# KiCad board panelized.kicad_pcb (continued)
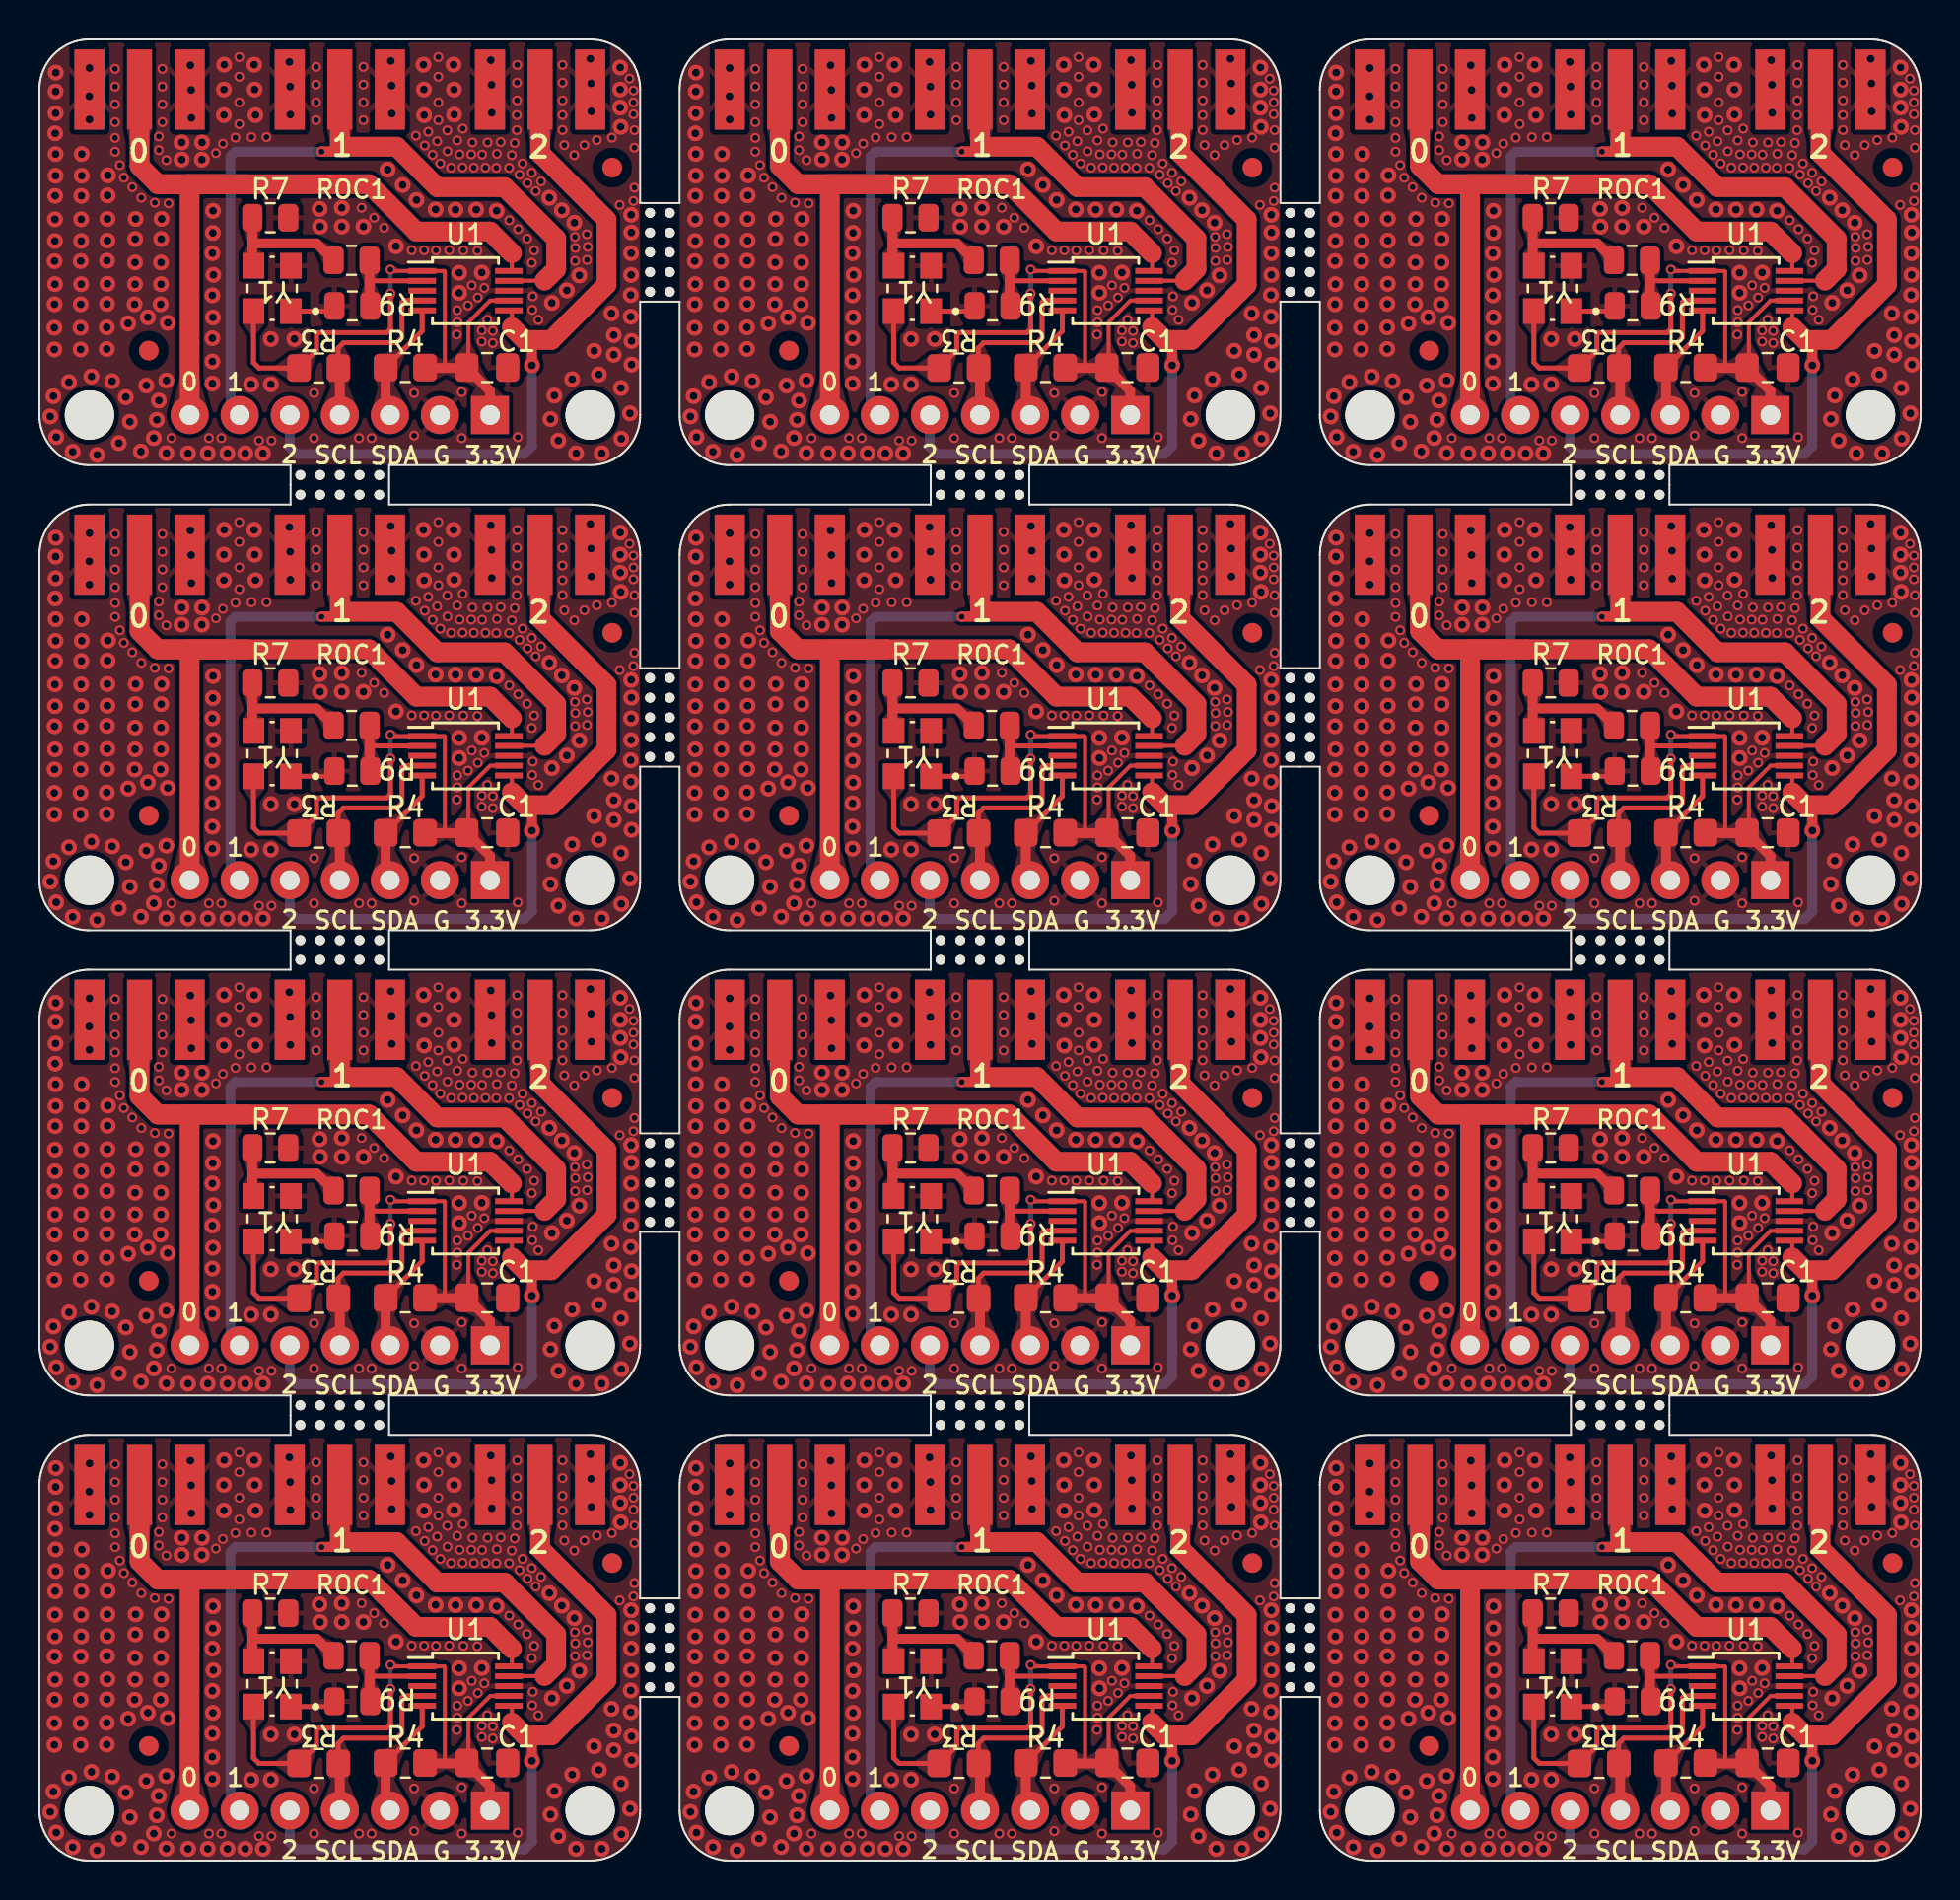
[diagram p0: board, top side]
## Routing (per net, layer and track width the routed paths; a pad name or vN(x,y) marks a point on that pad's centre or on a via; arc(x,y) is an arc through that point) (continued)
Board_3-Net-(U1-XA): length 5
  Top w0.25: U1#3.2 16.8,56.53 16.75,56.48
  Top w0.5: ROC1#12.2 16.75,55.29
Board_3-Net-(Y1-OUT): length 6.9
  Top w0.5: R7.1 10.8,58.43 ; 10.8,58.43 10.8,57.35 ; 10.8,58.43 14.06,58.43 ROC1#12.1
Board_4-+3.3V: length 31.1
  Top w0.2: 53.05,52.23 53.05,57 53.02,57.03 U1#2.1 50.36,57.03 v1(50.29,57.1) ; 54.25,52.13 54.25,54.43 55.35,55.53 U1#2.7
  Top w0.25: v1(50.29,55.89) 50.29,54.09 50.1,53.9 46.54,53.9 46.54,53 R3#4.2 43.62,52.11 43.34,52.39 Y1#8.4
  Top w0.5: JP1.1 55.34,50.95 C1#2.1 ; 54.05,52.11 52.23,52.11
  Bottom w0.25: v1(50.29,55.89) v1(50.29,57.1)
Board_4-/CLK0: length 43.5
  Top w0.2: 56.45,57.93 56.45,57.09
  Top w1: 42.98,61.43 41.84,61.43 ; 42.98,61.43 49.2,61.43 51.6,59.03 55.35,59.03 56.45,57.93 ; 42.98,61.43 38.48,61.43 ; 41.84,61.43 40.02,61.43 40.1,61.35 JP1.7 ; 41.84,61.43 38.48,61.43 ; X1#4.P 37.56,62.35 38.48,61.43
Board_4-/CLK1: length 39.6
  Top w0.2: 58.11,56.54 56.44,56.54
  Top w0.25: 47.64,63.24 47.73,63.33 47.48,63.08
  Top w0.5: 48.06,63.33 47.83,63.09 46.81,63.09 v1(46.79,63.08) 47.48,63.08
  Top w1: 58.11,56.54 58.7,57.13 58.7,58.66 56.08,61.28 52.66,61.28 50.61,63.33 47.73,63.33 47.72,63.34 X2#3.P
  Bottom w0.5: 42.17,50.19 42.17,62.83 42.42,63.08 46.69,63.08
Board_4-/CLK2: length 38.1
  Top w0.2: 56.45,54.18 56.45,54.98
  Top w0.25: 57.47,53.16 57.1,53.53
  Top w0.5: v2(57.47,52.24) 57.47,53.16
  Top w1: 56.45,54.18 57.1,53.53 58.45,53.53 61.25,56.33 61.25,59.63 57.88,63 X3#4.P
  Bottom w0.5: JP1.5 45.18,48.11 45.54,47.75 57.07,47.75 57.47,48.15 v2(57.47,52.24)
Board_4-/SCL_3V: length 9.4
  Top w0.25: U1#2.4 50.96,55.53 50.87,55.44 50.87,53.65 50.61,53.39 47.9,53.39 47.64,53.12 47.64,52.3
  Top w0.5: JP1.4 47.72,52.02
Board_4-/SDA_3V: length 5.9
  Top w0.25: U1#2.5 51.9,53.98 R4#9.1
  Top w0.5: R4#9.1 50.04,49.94
Board_4-GND: length 2.3
  Top w0.25: R9#10.2 47.18,54.99 Y1#8.1
  vias: v1(36.32,67.28) v1(36.32,66.38) v1(36.32,65.48) v1(36.32,64.58) v1(36.32,63.78) v1(36.32,63.08) v1(36.56,62.39) v1(36.76,61.76) v1(37.19,61.28) v1(37.65,60.74) v1(38.33,60.49) v1(38.54,63.85) v1(38.54,63.16) v1(38.72,67.28) v1(38.72,66.38) v1(38.72,65.48) v1(38.72,64.58) v1(38.92,62.65) v1(39.03,60.46) v1(39.17,48.55) v1(41.08,48.55) v1(41.43,63) v1(41.71,48.55) v1(41.79,63.49) v1(42.42,63.79) v1(42.62,67.88) v1(42.62,66.88) v1(42.62,65.58) v1(42.62,64.48) v1(43.24,63.82) v1(43.62,48.42) v1(44,63.82) v1(44.25,48.42) v1(46.41,50.84) v1(46.41,48.55) v1(46.52,67.38) v1(46.52,66.48) v1(46.52,65.58) v1(46.52,64.68) v1(48.7,48.55) v1(48.82,60.24) v1(48.92,67.38) v1(48.92,66.48) v1(48.92,65.58) v1(48.92,64.68) v1(49.33,48.55) v1(49.46,59.73) v1(49.97,59.22) v1(51.36,58.08) v1(51.49,50.84) v1(51.49,48.68) v1(51.58,63.89) v1(52.03,63.39) v1(52,58.08) v1(52.21,64.09) v1(52.43,62.92) v1(52.66,63.61) v1(52.6,58.07) v1(52.72,67.88) v1(52.72,66.88) v1(52.72,65.58) v1(52.72,64.68) v1(52.82,62.48) v1(53.17,64.16) v1(53.18,63.1) v1(53.27,58.08) v1(53.36,62.27) v1(53.66,53.81) v1(53.68,63.65) v1(53.68,55.04) v1(53.68,54.43) v1(53.8,62.94) v1(53.96,64.25) v1(53.95,62.28) v1(53.9,50.89) v1(53.9,48.55) v1(53.99,58.07) v1(54.22,55.28) v1(54.45,63.55) v1(54.39,62.94) v1(54.41,56.3) v1(54.52,62.27) v1(54.7,58.05) v1(54.72,55.68) v1(54.94,62.93) v1(54.92,54.01) v1(54.92,53.45) v1(55.05,56.17) v1(55.11,62.27) v1(55.22,63.55) v1(55.2,54.55) v1(55.48,53.99) v1(55.48,53.38) v1(55.66,62.26) v1(55.69,62.97) v1(55.88,63.57) v1(56.31,62.26) v1(56.32,59.6) v1(56.44,62.9) v1(56.59,63.52) v1(56.72,67.48) v1(56.71,66.58) v1(56.71,65.68) v1(56.7,64.93) v1(56.7,64.17) v1(56.77,59.15) v1(56.75,48.6) v1(56.84,61.91) v1(56.99,62.48) v1(57.25,61.48) v1(57.22,58.67) v1(57.46,62.01) v1(57.46,57.44) v1(57.51,55.74) v1(57.49,55.05) v1(57.66,61.08) v1(57.58,58.07) v1(57.79,54.55) v1(57.93,61.57) v1(59.02,67.48) v1(59.02,66.58) v1(59.02,65.68) v1(59.02,64.93) v1(59.02,64.18) v1(59.11,63.41) v1(59.62,62.9) v1(59.65,58.76) v1(59.67,58.2) v1(59.66,57.54) v1(60.13,63.41) v1(60.25,58.89) v1(60.26,57.59) v1(60.3,58.25) v1(60.76,63.66) v1(61.52,63.79) v1(61.92,60.38) v1(62.42,66.78) v1(62.62,66.18) v1(62.62,65.58) v1(62.62,64.98) v1(62.67,64.17) v1(62.67,63.28) v1(62.67,61.25) v1(62.62,60.58) v2(33.03,49.65) v2(33.27,59.65) v2(33.27,58.55) v2(33.25,57.53) v2(33.27,56.36) v2(33.25,55.34) v2(33.24,54.15) v2(33.24,53.05) v2(33.19,50.68) v2(33.31,67.09) v2(33.3,66.13) v2(33.3,65.03) v2(33.28,64.01) v2(33.3,62.96) v2(33.3,61.86) v2(33.28,60.84) v2(33.33,48.6) v2(33.98,51.39) v2(34.17,47.86) v2(34.57,54.15) v2(34.57,53.05) v2(34.63,62.96) v2(34.63,61.86) v2(34.61,60.84) v2(34.6,59.65) v2(34.6,58.55) v2(34.58,57.53) v2(34.6,56.36) v2(34.58,55.34) v2(35.02,67.32) v2(35.01,65.89) v2(35.02,64.71) v2(35.12,51.68) v2(35.41,47.7) v2(35.96,61.88) v2(35.94,60.86) v2(35.93,59.67) v2(35.93,58.57) v2(35.91,57.55) v2(35.93,56.38) v2(35.91,55.36) v2(35.9,54.17) v2(35.9,53.07) v2(36.17,51.44) v2(36.51,48.3) v2(36.86,50.63) v2(36.98,54.37) v2(37.07,49.38) v2(37.36,59.67) v2(37.34,58.65) v2(37.33,57.46) v2(37.33,56.36) v2(37.31,55.34) v2(37.63,47.87) v2(37.9,51.22) v2(37.98,54.68) v2(38.28,48.55) v2(38.44,49.48) v2(38.54,50.46) v2(38.66,58.65) v2(38.65,57.46) v2(38.65,56.36) v2(38.63,55.34) v2(38.68,59.67) v2(38.92,51.47) v2(38.92,47.79) v2(38.99,54.4) v2(39.7,63.55) v2(39.7,62.68) v2(40.02,47.78) v2(40.14,67.46) v2(40.18,66.21) v2(40.19,64.79) v2(40.73,63.55) v2(40.72,62.68) v2(41.02,47.78) v2(41.26,57.93) v2(41.26,55.79) v2(41.26,53.62) v2(41.26,52.44) v2(41.26,51.32) v2(41.29,60.08) v2(41.28,58.96) v2(41.31,56.83) v2(41.28,54.67) v2(42.02,47.78) v2(42.92,47.78) v2(43.22,51.28) v2(43.82,47.78) v2(44.22,53.58) v2(44.22,51.28) v2(45.16,67.63) v2(45.2,66.38) v2(45.21,64.96) v2(45.42,53.58) v2(46.69,60.18) v2(46.72,59.28) v2(47.82,60.23) v2(47.82,59.28) v2(48.92,59.28) v2(50.15,62.17) v2(50.31,67.68) v2(50.35,66.43) v2(50.36,65.01) v2(50.57,58.28) v2(50.91,61.39) v2(51.61,60.63) v2(52.58,60.15) v2(53.59,60.14) v2(53.78,56.94) v2(53.78,55.92) v2(54.64,60.14) v2(54.92,56.95) v2(55.38,67.72) v2(55.42,66.47) v2(55.43,65.05) v2(55.68,60.08) v2(58.35,60.74) v2(58.41,49.52) v2(58.48,55.41) v2(58.6,50.71) v2(58.81,48.42) v2(58.98,60.11) v2(59.24,56.04) v2(59.51,51.54) v2(59.62,59.47) v2(59.71,47.78) v2(59.87,56.81) v2(60.43,67.79) v2(60.47,66.54) v2(60.48,65.12) v2(60.62,52.98) v2(60.86,51.78) v2(61.01,47.78) v2(61.5,54.88) v2(61.62,53.78) v2(61.62,52.78) v2(61.98,51.09) v2(62,48.52) v2(62.44,49.81) v2(62.5,59.88) v2(62.51,58.98) v2(62.5,57.93) v2(62.5,56.83) v2(62.48,55.81) v2(62.48,54.71) v2(62.52,53.48) v2(62.52,52.28) v3(41.85,67.49) v3(41.84,66.23) v3(41.84,64.93) v3(43.38,67.49) v3(43.4,66.23) v3(43.44,64.93) v3(51.96,67.49) v3(51.99,66.23) v3(52,64.93) v3(53.49,67.49) v3(53.51,66.23) v3(53.52,64.96) v3(61.94,67.35) v3(61.94,66.23) v3(61.94,65.32) v3(61.97,64.34)
Board_4-Net-(U1-XA): length 5
  Top w0.25: 49.23,56.48 49.28,56.53 U1#2.2
  Top w0.5: 49.23,55.29 ROC1#4.2
Board_4-Net-(Y1-OUT): length 6.9
  Top w0.5: R7#11.1 43.28,58.43 ; 43.28,58.43 46.54,58.43 ROC1#4.1 ; 43.28,58.43 43.28,57.35
Board_5-+3.3V: length 31.1
  Top w0.2: v1(82.77,57.1) 82.84,57.03 U1#9.1 85.5,57.03 85.53,57 85.53,52.23 ; U1#9.7 87.83,55.53 86.73,54.43 86.73,52.13
  Top w0.25: v1(82.77,55.89) 82.77,54.09 82.58,53.9 79.02,53.9 79.02,53 R3#2.2 76.1,52.11 75.82,52.39 Y1#5.4
  Top w0.5: C1#4.1 87.82,50.95 JP1#3.1 ; 86.53,52.11 84.71,52.11
  Bottom w0.25: v1(82.77,55.89) v1(82.77,57.1)
Board_5-/CLK0: length 43.5
  Top w0.2: 88.93,57.93 88.93,57.09
  Top w1: 75.46,61.43 74.32,61.43 ; 75.46,61.43 70.96,61.43 ; 75.46,61.43 81.68,61.43 84.08,59.03 87.83,59.03 88.93,57.93 ; 74.32,61.43 70.96,61.43 ; 74.32,61.43 72.5,61.43 72.58,61.35 JP1#3.7 ; 70.96,61.43 70.04,62.35 X1#11.P
Board_5-/CLK1: length 39.6
  Top w0.2: 90.59,56.54 88.92,56.54
  Top w0.25: 80.12,63.24 80.21,63.33 79.96,63.08
  Top w0.5: 79.96,63.08 v1(79.27,63.08) 79.29,63.09 80.31,63.09 80.54,63.33
  Top w1: X2#2.P 80.2,63.34 80.21,63.33 83.09,63.33 85.14,61.28 88.56,61.28 91.18,58.66 91.18,57.13 90.59,56.54
  Bottom w0.5: 79.17,63.08 74.9,63.08 74.65,62.83 74.65,50.19
Board_5-/CLK2: length 38.1
  Top w0.2: 88.93,54.18 88.93,54.98
  Top w0.25: 89.95,53.16 89.58,53.53
  Top w0.5: v2(89.95,52.24) 89.95,53.16
  Top w1: X3#5.P 90.36,63 93.73,59.63 93.73,56.33 90.93,53.53 89.58,53.53 88.93,54.18
  Bottom w0.5: v2(89.95,52.24) 89.95,48.15 89.55,47.75 78.02,47.75 77.66,48.11 JP1#3.5
Board_5-/SCL_3V: length 9.4
  Top w0.25: U1#9.4 83.44,55.53 83.35,55.44 83.35,53.65 83.09,53.39 80.38,53.39 80.12,53.12 80.12,52.3
  Top w0.5: JP1#3.4 80.2,52.02
Board_5-/SDA_3V: length 5.9
  Top w0.25: R4#10.1 84.38,53.98 U1#9.5
  Top w0.5: R4#10.1 82.52,49.94
Board_5-GND: length 2.3
  Top w0.25: Y1#5.1 79.66,54.99 R9#4.2
  vias: v1(68.8,67.28) v1(68.8,66.38) v1(68.8,65.48) v1(68.8,64.58) v1(68.8,63.78) v1(68.8,63.08) v1(69.04,62.39) v1(69.24,61.76) v1(69.67,61.28) v1(70.13,60.74) v1(70.81,60.49) v1(71.02,63.85) v1(71.02,63.16) v1(71.2,67.28) v1(71.2,66.38) v1(71.2,65.48) v1(71.2,64.58) v1(71.4,62.65) v1(71.51,60.46) v1(71.65,48.55) v1(73.56,48.55) v1(73.91,63) v1(74.27,63.49) v1(74.19,48.55) v1(74.9,63.79) v1(75.1,67.88) v1(75.1,66.88) v1(75.1,65.58) v1(75.1,64.48) v1(75.72,63.82) v1(76.1,48.42) v1(76.48,63.82) v1(76.73,48.42) v1(78.89,50.84) v1(78.89,48.55) v1(79,67.38) v1(79,66.48) v1(79,65.58) v1(79,64.68) v1(81.18,48.55) v1(81.3,60.24) v1(81.4,67.38) v1(81.4,66.48) v1(81.4,65.58) v1(81.4,64.68) v1(81.81,48.55) v1(81.94,59.73) v1(82.45,59.22) v1(83.84,58.08) v1(84.06,63.89) v1(83.97,50.84) v1(83.97,48.68) v1(84.51,63.39) v1(84.48,58.08) v1(84.69,64.09) v1(84.91,62.92) v1(85.14,63.61) v1(85.08,58.07) v1(85.2,67.88) v1(85.2,66.88) v1(85.2,65.58) v1(85.2,64.68) v1(85.3,62.48) v1(85.65,64.16) v1(85.66,63.1) v1(85.75,58.08) v1(85.84,62.27) v1(86.16,63.65) v1(86.16,55.04) v1(86.16,54.43) v1(86.14,53.81) v1(86.28,62.94) v1(86.44,64.25) v1(86.43,62.28) v1(86.47,58.07) v1(86.38,50.89) v1(86.38,48.55) v1(86.7,55.28) v1(86.87,62.94) v1(86.93,63.55) v1(86.89,56.3) v1(87,62.27) v1(87.18,58.05) v1(87.2,55.68) v1(87.42,62.93) v1(87.4,54.01) v1(87.4,53.45) v1(87.53,56.17) v1(87.59,62.27) v1(87.7,63.55) v1(87.68,54.55) v1(87.96,53.99) v1(87.96,53.38) v1(88.17,62.97) v1(88.14,62.26) v1(88.36,63.57) v1(88.79,62.26) v1(88.8,59.6) v1(88.92,62.9) v1(89.07,63.52) v1(89.2,67.48) v1(89.19,66.58) v1(89.19,65.68) v1(89.18,64.93) v1(89.18,64.17) v1(89.25,59.15) v1(89.23,48.6) v1(89.32,61.91) v1(89.47,62.48) v1(89.73,61.48) v1(89.7,58.67) v1(89.94,62.01) v1(89.94,57.44) v1(89.97,55.05) v1(90.06,58.07) v1(89.99,55.74) v1(90.14,61.08) v1(90.27,54.55) v1(90.41,61.57) v1(91.5,67.48) v1(91.5,66.58) v1(91.5,65.68) v1(91.5,64.93) v1(91.5,64.18) v1(91.59,63.41) v1(92.1,62.9) v1(92.13,58.76) v1(92.15,58.2) v1(92.14,57.54) v1(92.61,63.41) v1(92.73,58.89) v1(92.74,57.59) v1(92.78,58.25) v1(93.24,63.66) v1(94,63.79) v1(94.4,60.38) v1(94.9,66.78) v1(95.1,66.18) v1(95.1,65.58) v1(95.1,64.98) v1(95.15,64.17) v1(95.15,63.28) v1(95.15,61.25) v1(95.1,60.58) v2(65.51,49.65) v2(65.67,50.68) v2(65.76,64.01) v2(65.76,60.84) v2(65.75,59.65) v2(65.75,58.55) v2(65.73,57.53) v2(65.75,56.36) v2(65.73,55.34) v2(65.72,54.15) v2(65.72,53.05) v2(65.79,67.09) v2(65.78,66.13) v2(65.78,65.03) v2(65.78,62.96) v2(65.78,61.86) v2(65.81,48.6) v2(66.46,51.39) v2(66.65,47.86) v2(67.06,57.53) v2(67.06,55.34) v2(67.05,54.15) v2(67.05,53.05) v2(67.11,62.96) v2(67.11,61.86) v2(67.09,60.84) v2(67.08,59.65) v2(67.08,58.55) v2(67.08,56.36) v2(67.5,67.32) v2(67.49,65.89) v2(67.5,64.71) v2(67.6,51.68) v2(67.89,47.7) v2(68.44,61.88) v2(68.42,60.86) v2(68.41,59.67) v2(68.41,58.57) v2(68.39,57.55) v2(68.41,56.38) v2(68.39,55.36) v2(68.38,54.17) v2(68.38,53.07) v2(68.65,51.44) v2(68.99,48.3) v2(69.34,50.63) v2(69.46,54.37) v2(69.55,49.38) v2(69.84,59.67) v2(69.82,58.65) v2(69.81,57.46) v2(69.81,56.36) v2(69.79,55.34) v2(70.11,47.87) v2(70.46,54.68) v2(70.38,51.22) v2(70.76,48.55) v2(70.92,49.48) v2(71.02,50.46) v2(71.16,59.67) v2(71.14,58.65) v2(71.13,57.46) v2(71.13,56.36) v2(71.11,55.34) v2(71.47,54.4) v2(71.4,51.47) v2(71.4,47.79) v2(72.18,63.55) v2(72.18,62.68) v2(72.5,47.78) v2(72.62,67.46) v2(72.66,66.21) v2(72.67,64.79) v2(73.21,63.55) v2(73.2,62.68) v2(73.5,47.78) v2(73.77,60.08) v2(73.76,58.96) v2(73.74,57.93) v2(73.74,55.79) v2(73.76,54.67) v2(73.74,53.62) v2(73.74,52.44) v2(73.74,51.32) v2(73.79,56.83) v2(74.5,47.78) v2(75.4,47.78) v2(75.7,51.28) v2(76.3,47.78) v2(76.7,53.58) v2(76.7,51.28) v2(77.64,67.63) v2(77.68,66.38) v2(77.69,64.96) v2(77.9,53.58) v2(79.17,60.18) v2(79.2,59.28) v2(80.3,60.23) v2(80.3,59.28) v2(81.4,59.28) v2(82.63,62.17) v2(82.79,67.68) v2(82.83,66.43) v2(82.84,65.01) v2(83.05,58.28) v2(83.39,61.39) v2(84.09,60.63) v2(85.06,60.15) v2(86.07,60.14) v2(86.26,56.94) v2(86.26,55.92) v2(87.12,60.14) v2(87.4,56.95) v2(87.86,67.72) v2(87.9,66.47) v2(87.91,65.05) v2(88.16,60.08) v2(90.83,60.74) v2(90.96,55.41) v2(90.89,49.52) v2(91.08,50.71) v2(91.29,48.42) v2(91.46,60.11) v2(91.72,56.04) v2(91.99,51.54) v2(92.1,59.47) v2(92.19,47.78) v2(92.35,56.81) v2(92.91,67.79) v2(92.95,66.54) v2(92.96,65.12) v2(93.1,52.98) v2(93.34,51.78) v2(93.49,47.78) v2(93.98,54.88) v2(94.1,53.78) v2(94.1,52.78) v2(94.46,51.09) v2(94.48,48.52) v2(94.96,55.81) v2(94.96,54.71) v2(94.92,49.81) v2(94.98,59.88) v2(94.99,58.98) v2(94.98,57.93) v2(94.98,56.83) v2(95,53.48) v2(95,52.28) v3(74.33,67.49) v3(74.32,66.23) v3(74.32,64.93) v3(75.86,67.49) v3(75.88,66.23) v3(75.92,64.93) v3(84.44,67.49) v3(84.47,66.23) v3(84.48,64.93) v3(85.97,67.49) v3(85.99,66.23) v3(86,64.96) v3(94.42,67.35) v3(94.42,66.23) v3(94.42,65.32) v3(94.45,64.34)
Board_5-Net-(U1-XA): length 5
  Top w0.25: U1#9.2 81.76,56.53 81.71,56.48
  Top w0.5: ROC1#7.2 81.71,55.29
Board_5-Net-(Y1-OUT): length 6.9
  Top w0.5: 75.76,58.43 79.02,58.43 ROC1#7.1 ; 75.76,58.43 R7#12.1 ; 75.76,58.43 75.76,57.35
Board_6-+3.3V: length 31.1
  Top w0.2: 20.57,28.64 20.57,33.41 20.54,33.44 U1#11.1 17.88,33.44 v1(17.81,33.51) ; U1#11.7 22.87,31.94 21.77,30.84 21.77,28.54
  Top w0.25: Y1#9.4 10.86,28.8 11.14,28.52 R3.2 14.06,29.41 14.06,30.31 17.62,30.31 17.81,30.5 v1(17.81,32.3)
  Top w0.5: C1#6.1 22.86,27.36 JP1#2.1 ; 21.57,28.52 19.75,28.52
  Bottom w0.25: v1(17.81,32.3) v1(17.81,33.51)
Board_6-/CLK0: length 43.5
  Top w0.2: 23.97,34.34 23.97,33.5
  Top w1: 6,37.84 9.36,37.84 ; 6,37.84 10.5,37.84 ; 6,37.84 5.08,38.76 X1#9.P ; 9.36,37.84 10.5,37.84 ; 9.36,37.84 7.54,37.84 7.62,37.76 JP1#2.7 ; 10.5,37.84 16.72,37.84 19.12,35.44 22.87,35.44 23.97,34.34
Board_6-/CLK1: length 39.6
  Top w0.2: 25.63,32.95 23.96,32.95
  Top w0.25: 15,39.49 15.25,39.74 15.16,39.65
  Top w0.5: 15.58,39.74 15.35,39.5 14.33,39.5 v1(14.31,39.49) 15,39.49
  Top w1: 25.63,32.95 26.22,33.54 26.22,35.07 23.6,37.69 20.18,37.69 18.13,39.74 15.25,39.74 15.24,39.75 X2#5.P
  Bottom w0.5: 9.69,26.6 9.69,39.24 9.94,39.49 14.21,39.49
Board_6-/CLK2: length 38.1
  Top w0.2: 23.97,30.59 23.97,31.39
  Top w0.25: 24.99,29.57 24.62,29.94
  Top w0.5: v2(24.99,28.65) 24.99,29.57
  Top w1: 23.97,30.59 24.62,29.94 25.97,29.94 28.77,32.74 28.77,36.04 25.4,39.41 X3#6.P
  Bottom w0.5: v2(24.99,28.65) 24.99,24.56 24.59,24.16 13.06,24.16 12.7,24.52 JP1#2.5
Board_6-/SCL_3V: length 9.4
  Top w0.25: U1#11.4 18.48,31.94 18.39,31.85 18.39,30.06 18.13,29.8 15.42,29.8 15.16,29.53 15.16,28.71
  Top w0.5: JP1#2.4 15.24,28.43
Board_6-/SDA_3V: length 5.9
  Top w0.25: U1#11.5 19.42,30.39 R4#4.1
  Top w0.5: R4#4.1 17.56,26.35
Board_6-GND: length 2.3
  Top w0.25: R9#7.2 14.7,31.4 Y1#9.1
  vias: v1(3.84,43.69) v1(3.84,42.79) v1(3.84,41.89) v1(3.84,40.99) v1(3.84,40.19) v1(3.84,39.49) v1(4.08,38.8) v1(4.28,38.17) v1(4.71,37.69) v1(5.17,37.15) v1(5.85,36.9) v1(6.06,40.26) v1(6.06,39.57) v1(6.24,43.69) v1(6.24,42.79) v1(6.24,41.89) v1(6.24,40.99) v1(6.44,39.06) v1(6.55,36.87) v1(6.69,24.96) v1(8.6,24.96) v1(8.95,39.41) v1(9.23,24.96) v1(9.31,39.9) v1(9.94,40.2) v1(10.14,44.29) v1(10.14,43.29) v1(10.14,41.99) v1(10.14,40.89) v1(10.76,40.23) v1(11.14,24.83) v1(11.52,40.23) v1(11.77,24.83) v1(13.93,27.25) v1(13.93,24.96) v1(14.04,43.79) v1(14.04,42.89) v1(14.04,41.99) v1(14.04,41.09) v1(16.22,24.96) v1(16.34,36.65) v1(16.44,43.79) v1(16.44,42.89) v1(16.44,41.99) v1(16.44,41.09) v1(16.85,24.96) v1(16.98,36.14) v1(17.49,35.63) v1(18.88,34.49) v1(19.01,27.25) v1(19.01,25.09) v1(19.1,40.3) v1(19.55,39.8) v1(19.52,34.49) v1(19.73,40.5) v1(19.95,39.33) v1(20.12,34.48) v1(20.24,44.29) v1(20.24,43.29) v1(20.24,41.99) v1(20.24,41.09) v1(20.18,40.02) v1(20.34,38.89) v1(20.69,40.57) v1(20.7,39.51) v1(20.79,34.49) v1(20.88,38.68) v1(21.2,40.06) v1(21.2,31.45) v1(21.2,30.84) v1(21.18,30.22) v1(21.32,39.35) v1(21.47,38.69) v1(21.42,27.3) v1(21.42,24.96) v1(21.48,40.66) v1(21.51,34.48) v1(21.74,31.69) v1(21.97,39.96) v1(21.91,39.35) v1(21.93,32.71) v1(22.04,38.68) v1(22.22,34.46) v1(22.24,32.09) v1(22.46,39.34) v1(22.44,30.42) v1(22.44,29.86) v1(22.57,32.58) v1(22.63,38.68) v1(22.74,39.96) v1(22.72,30.96) v1(23,30.4) v1(23,29.79) v1(23.21,39.38) v1(23.18,38.67) v1(23.4,39.98) v1(23.83,38.67) v1(23.84,36.01) v1(23.96,39.31) v1(24.11,39.93) v1(24.24,43.89) v1(24.23,42.99) v1(24.23,42.09) v1(24.22,41.34) v1(24.22,40.58) v1(24.27,25.01) v1(24.36,38.32) v1(24.29,35.56) v1(24.51,38.89) v1(24.77,37.89) v1(24.74,35.08) v1(24.98,38.42) v1(24.98,33.85) v1(25.03,32.15) v1(25.01,31.46) v1(25.1,34.48) v1(25.18,37.49) v1(25.31,30.96) v1(25.45,37.98) v1(26.54,43.89) v1(26.54,42.99) v1(26.54,42.09) v1(26.54,41.34) v1(26.54,40.59) v1(26.63,39.82) v1(27.14,39.31) v1(27.17,35.17) v1(27.19,34.61) v1(27.18,33.95) v1(27.65,39.82) v1(27.77,35.3) v1(27.82,34.66) v1(27.78,34) v1(28.28,40.07) v1(29.04,40.2) v1(29.44,36.79) v1(29.94,43.19) v1(30.14,42.59) v1(30.14,41.99) v1(30.14,41.39) v1(30.14,36.99) v1(30.19,40.58) v1(30.19,39.69) v1(30.19,37.66) v2(0.55,26.06) v2(0.77,33.94) v2(0.77,31.75) v2(0.76,30.56) v2(0.76,29.46) v2(0.71,27.09) v2(0.83,43.5) v2(0.82,42.54) v2(0.82,41.44) v2(0.8,40.42) v2(0.82,39.37) v2(0.82,38.27) v2(0.8,37.25) v2(0.79,36.06) v2(0.79,34.96) v2(0.79,32.77) v2(0.85,25.01) v2(1.5,27.8) v2(1.69,24.27) v2(2.15,39.37) v2(2.15,38.27) v2(2.13,37.25) v2(2.12,36.06) v2(2.12,34.96) v2(2.1,33.94) v2(2.12,32.77) v2(2.1,31.75) v2(2.09,30.56) v2(2.09,29.46) v2(2.54,43.73) v2(2.53,42.3) v2(2.54,41.12) v2(2.64,28.09) v2(2.93,24.11) v2(3.46,37.27) v2(3.45,36.08) v2(3.45,34.98) v2(3.43,33.96) v2(3.45,32.79) v2(3.43,31.77) v2(3.42,30.58) v2(3.42,29.48) v2(3.48,38.29) v2(3.69,27.85) v2(4.03,24.71) v2(4.38,27.04) v2(4.5,30.78) v2(4.59,25.79) v2(4.86,35.06) v2(4.85,33.87) v2(4.85,32.77) v2(4.83,31.75) v2(4.88,36.08) v2(5.15,24.28) v2(5.42,27.63) v2(5.5,31.09) v2(5.8,24.96) v2(5.96,25.89) v2(6.06,26.87) v2(6.17,33.87) v2(6.17,32.77) v2(6.15,31.75) v2(6.2,36.08) v2(6.18,35.06) v2(6.44,27.88) v2(6.44,24.2) v2(6.51,30.81) v2(7.22,39.96) v2(7.22,39.09) v2(7.54,24.19) v2(7.66,43.87) v2(7.7,42.62) v2(7.71,41.2) v2(8.25,39.96) v2(8.24,39.09) v2(8.54,24.19) v2(8.81,36.49) v2(8.8,35.37) v2(8.78,34.34) v2(8.83,33.24) v2(8.78,32.2) v2(8.8,31.08) v2(8.78,30.03) v2(8.78,28.85) v2(8.78,27.73) v2(9.54,24.19) v2(10.44,24.19) v2(10.74,27.69) v2(11.34,24.19) v2(11.74,29.99) v2(11.74,27.69) v2(12.68,44.04) v2(12.72,42.79) v2(12.73,41.37) v2(12.94,29.99) v2(14.21,36.59) v2(14.24,35.69) v2(15.34,36.64) v2(15.34,35.69) v2(16.44,35.69) v2(17.67,38.58) v2(17.83,44.09) v2(17.87,42.84) v2(17.88,41.42) v2(18.09,34.69) v2(18.43,37.8) v2(19.13,37.04) v2(20.1,36.56) v2(21.11,36.55) v2(21.3,33.35) v2(21.3,32.33) v2(22.16,36.55) v2(22.44,33.36) v2(22.9,44.13) v2(22.94,42.88) v2(22.95,41.46) v2(23.2,36.49) v2(25.87,37.15) v2(25.93,25.93) v2(26,31.82) v2(26.12,27.12) v2(26.33,24.83) v2(26.5,36.52) v2(26.76,32.45) v2(27.03,27.95) v2(27.14,35.88) v2(27.23,24.19) v2(27.39,33.22) v2(27.95,44.2) v2(27.99,42.95) v2(28,41.53) v2(28.14,29.39) v2(28.38,28.19) v2(28.53,24.19) v2(29.02,31.29) v2(29.14,30.19) v2(29.14,29.19) v2(29.5,27.5) v2(29.52,24.93) v2(29.96,26.22) v2(30.02,36.29) v2(30.03,35.39) v2(30.02,34.34) v2(30.02,33.24) v2(30,32.22) v2(30,31.12) v2(30.04,29.89) v2(30.04,28.69) v3(9.36,42.64) v3(9.36,41.34) v3(9.37,43.9) v3(10.9,43.9) v3(10.92,42.64) v3(10.96,41.34) v3(19.48,43.9) v3(19.51,42.64) v3(19.52,41.34) v3(21.01,43.9) v3(21.03,42.64) v3(21.04,41.37) v3(29.46,43.76) v3(29.46,42.64) v3(29.46,41.73) v3(29.49,40.75)
Board_6-Net-(U1-XA): length 5
  Top w0.25: U1#11.2 16.8,32.94 16.75,32.89
  Top w0.5: ROC1#6.2 16.75,31.7
Board_6-Net-(Y1-OUT): length 6.9
  Top w0.5: R7#2.1 10.8,34.84 ; 10.8,34.84 14.06,34.84 ROC1#6.1 ; 10.8,34.84 10.8,33.76
Board_7-+3.3V: length 31.1
  Top w0.2: U1#5.7 55.35,31.94 54.25,30.84 54.25,28.54 ; v1(50.29,33.51) 50.36,33.44 U1#5.1 53.02,33.44 53.05,33.41 53.05,28.64
  Top w0.25: Y1#10.4 43.34,28.8 43.62,28.52 R3#7.2 46.54,29.41 46.54,30.31 50.1,30.31 50.29,30.5 v1(50.29,32.3)
  Top w0.5: C1#5.1 55.34,27.36 JP1#6.1 ; 54.05,28.52 52.23,28.52
  Bottom w0.25: v1(50.29,32.3) v1(50.29,33.51)
Board_7-/CLK0: length 43.5
  Top w0.2: 56.45,34.34 56.45,33.5
  Top w1: 38.48,37.84 37.56,38.76 X1#5.P ; 38.48,37.84 41.84,37.84 ; 38.48,37.84 42.98,37.84 ; 56.45,34.34 55.35,35.44 51.6,35.44 49.2,37.84 42.98,37.84 ; 42.98,37.84 41.84,37.84 ; 41.84,37.84 40.02,37.84 40.1,37.76 JP1#6.7
Board_7-/CLK1: length 39.6
  Top w0.2: 58.11,32.95 56.44,32.95
  Top w0.25: 47.64,39.65 47.73,39.74 47.48,39.49
  Top w0.5: 47.48,39.49 v1(46.79,39.49) 46.81,39.5 47.83,39.5 48.06,39.74
  Top w1: 58.11,32.95 58.7,33.54 58.7,35.07 56.08,37.69 52.66,37.69 50.61,39.74 47.73,39.74 47.72,39.75 X2#11.P
  Bottom w0.5: 46.69,39.49 42.42,39.49 42.17,39.24 42.17,26.6
Board_7-/CLK2: length 38.1
  Top w0.2: 56.45,30.59 56.45,31.39
  Top w0.25: 57.47,29.57 57.1,29.94
  Top w0.5: v2(57.47,28.65) 57.47,29.57
  Top w1: 56.45,30.59 57.1,29.94 58.45,29.94 61.25,32.74 61.25,36.04 57.88,39.41 X3.P
  Bottom w0.5: v2(57.47,28.65) 57.47,24.56 57.07,24.16 45.54,24.16 45.18,24.52 JP1#6.5
Board_7-/SCL_3V: length 9.4
  Top w0.25: 47.64,28.71 47.64,29.53 47.9,29.8 50.61,29.8 50.87,30.06 50.87,31.85 50.96,31.94 U1#5.4
  Top w0.5: JP1#6.4 47.72,28.43
Board_7-/SDA_3V: length 5.9
  Top w0.25: U1#5.5 51.9,30.39 R4#11.1
  Top w0.5: R4#11.1 50.04,26.35
Board_7-GND: length 2.3
  Top w0.25: R9#2.2 47.18,31.4 Y1#10.1
  vias: v1(36.32,43.69) v1(36.32,42.79) v1(36.32,41.89) v1(36.32,40.99) v1(36.32,40.19) v1(36.32,39.49) v1(36.56,38.8) v1(36.76,38.17) v1(37.19,37.69) v1(37.65,37.15) v1(38.33,36.9) v1(38.54,40.26) v1(38.54,39.57) v1(38.72,43.69) v1(38.72,42.79) v1(38.72,41.89) v1(38.72,40.99) v1(38.92,39.06) v1(39.03,36.87) v1(39.17,24.96) v1(41.08,24.96) v1(41.43,39.41) v1(41.71,24.96) v1(41.79,39.9) v1(42.42,40.2) v1(42.62,44.29) v1(42.62,43.29) v1(42.62,41.99) v1(42.62,40.89) v1(43.24,40.23) v1(43.62,24.83) v1(44,40.23) v1(44.25,24.83) v1(46.41,27.25) v1(46.41,24.96) v1(46.52,43.79) v1(46.52,42.89) v1(46.52,41.99) v1(46.52,41.09) v1(48.7,24.96) v1(48.82,36.65) v1(48.92,43.79) v1(48.92,42.89) v1(48.92,41.99) v1(48.92,41.09) v1(49.33,24.96) v1(49.46,36.14) v1(49.97,35.63) v1(51.36,34.49) v1(51.49,27.25) v1(51.49,25.09) v1(51.58,40.3) v1(52.03,39.8) v1(52,34.49) v1(52.21,40.5) v1(52.43,39.33) v1(52.66,40.02) v1(52.6,34.48) v1(52.72,44.29) v1(52.72,43.29) v1(52.72,41.99) v1(52.72,41.09) v1(52.82,38.89) v1(53.17,40.57) v1(53.18,39.51) v1(53.27,34.49) v1(53.36,38.68) v1(53.66,30.22) v1(53.68,40.06) v1(53.68,31.45) v1(53.68,30.84) v1(53.8,39.35) v1(53.96,40.66) v1(53.95,38.69) v1(53.9,27.3) v1(53.9,24.96) v1(53.99,34.48) v1(54.22,31.69) v1(54.45,39.96) v1(54.39,39.35) v1(54.41,32.71) v1(54.52,38.68) v1(54.7,34.46) v1(54.72,32.09) v1(54.94,39.34) v1(54.92,30.42) v1(54.92,29.86) v1(55.05,32.58) v1(55.11,38.68) v1(55.22,39.96) v1(55.2,30.96) v1(55.48,30.4) v1(55.48,29.79) v1(55.66,38.67) v1(55.69,39.38) v1(55.88,39.98) v1(56.31,38.67) v1(56.32,36.01) v1(56.44,39.31) v1(56.59,39.93) v1(56.72,43.89) v1(56.71,42.99) v1(56.71,42.09) v1(56.7,41.34) v1(56.7,40.58) v1(56.77,35.56) v1(56.75,25.01) v1(56.84,38.32) v1(56.99,38.89) v1(57.25,37.89) v1(57.22,35.08) v1(57.46,38.42) v1(57.46,33.85) v1(57.51,32.15) v1(57.49,31.46) v1(57.66,37.49) v1(57.58,34.48) v1(57.79,30.96) v1(57.93,37.98) v1(59.02,43.89) v1(59.02,42.99) v1(59.02,42.09) v1(59.02,41.34) v1(59.02,40.59) v1(59.11,39.82) v1(59.62,39.31) v1(59.65,35.17) v1(59.67,34.61) v1(59.66,33.95) v1(60.13,39.82) v1(60.25,35.3) v1(60.26,34) v1(60.3,34.66) v1(60.76,40.07) v1(61.52,40.2) v1(61.92,36.79) v1(62.42,43.19) v1(62.62,42.59) v1(62.62,41.99) v1(62.62,41.39) v1(62.67,40.58) v1(62.67,39.69) v1(62.67,37.66) v1(62.62,36.99) v2(33.03,26.06) v2(33.27,36.06) v2(33.27,34.96) v2(33.25,33.94) v2(33.27,32.77) v2(33.25,31.75) v2(33.24,30.56) v2(33.24,29.46) v2(33.19,27.09) v2(33.31,43.5) v2(33.3,42.54) v2(33.3,41.44) v2(33.28,40.42) v2(33.3,39.37) v2(33.3,38.27) v2(33.28,37.25) v2(33.33,25.01) v2(33.98,27.8) v2(34.17,24.27) v2(34.57,30.56) v2(34.57,29.46) v2(34.63,39.37) v2(34.63,38.27) v2(34.61,37.25) v2(34.6,36.06) v2(34.6,34.96) v2(34.58,33.94) v2(34.6,32.77) v2(34.58,31.75) v2(35.02,43.73) v2(35.01,42.3) v2(35.02,41.12) v2(35.12,28.09) v2(35.41,24.11) v2(35.96,38.29) v2(35.94,37.27) v2(35.93,36.08) v2(35.93,34.98) v2(35.91,33.96) v2(35.93,32.79) v2(35.91,31.77) v2(35.9,30.58) v2(35.9,29.48) v2(36.17,27.85) v2(36.51,24.71) v2(36.86,27.04) v2(36.98,30.78) v2(37.07,25.79) v2(37.36,36.08) v2(37.34,35.06) v2(37.33,33.87) v2(37.33,32.77) v2(37.31,31.75) v2(37.63,24.28) v2(37.9,27.63) v2(37.98,31.09) v2(38.28,24.96) v2(38.44,25.89) v2(38.54,26.87) v2(38.66,35.06) v2(38.65,33.87) v2(38.65,32.77) v2(38.63,31.75) v2(38.68,36.08) v2(38.92,27.88) v2(38.92,24.2) v2(38.99,30.81) v2(39.7,39.96) v2(39.7,39.09) v2(40.02,24.19) v2(40.14,43.87) v2(40.18,42.62) v2(40.19,41.2) v2(40.73,39.96) v2(40.72,39.09) v2(41.02,24.19) v2(41.26,34.34) v2(41.26,32.2) v2(41.26,30.03) v2(41.26,28.85) v2(41.26,27.73) v2(41.29,36.49) v2(41.28,35.37) v2(41.31,33.24) v2(41.28,31.08) v2(42.02,24.19) v2(42.92,24.19) v2(43.22,27.69) v2(43.82,24.19) v2(44.22,29.99) v2(44.22,27.69) v2(45.16,44.04) v2(45.2,42.79) v2(45.21,41.37) v2(45.42,29.99) v2(46.69,36.59) v2(46.72,35.69) v2(47.82,36.64) v2(47.82,35.69) v2(48.92,35.69) v2(50.15,38.58) v2(50.31,44.09) v2(50.35,42.84) v2(50.36,41.42) v2(50.57,34.69) v2(50.91,37.8) v2(51.61,37.04) v2(52.58,36.56) v2(53.59,36.55) v2(53.78,33.35) v2(53.78,32.33) v2(54.64,36.55) v2(54.92,33.36) v2(55.38,44.13) v2(55.42,42.88) v2(55.43,41.46) v2(55.68,36.49) v2(58.35,37.15) v2(58.41,25.93) v2(58.48,31.82) v2(58.6,27.12) v2(58.81,24.83) v2(58.98,36.52) v2(59.24,32.45) v2(59.51,27.95) v2(59.62,35.88) v2(59.71,24.19) v2(59.87,33.22) v2(60.43,44.2) v2(60.47,42.95) v2(60.48,41.53) v2(60.62,29.39) v2(60.86,28.19) v2(61.01,24.19) v2(61.5,31.29) v2(61.62,30.19) v2(61.62,29.19) v2(61.98,27.5) v2(62,24.93) v2(62.44,26.22) v2(62.5,36.29) v2(62.51,35.39) v2(62.5,34.34) v2(62.5,33.24) v2(62.48,32.22) v2(62.48,31.12) v2(62.52,29.89) v2(62.52,28.69) v3(41.85,43.9) v3(41.84,42.64) v3(41.84,41.34) v3(43.38,43.9) v3(43.4,42.64) v3(43.44,41.34) v3(51.96,43.9) v3(51.99,42.64) v3(52,41.34) v3(53.49,43.9) v3(53.51,42.64) v3(53.52,41.37) v3(61.94,43.76) v3(61.94,42.64) v3(61.94,41.73) v3(61.97,40.75)